# Altium PCB NORA_Clock_V0.2.PcbDoc (part 3 of 3)
Units mm, origin at the board's own origin, x right, y up, seen from the top; angles counter-clockwise.
Board outline 118 x 203.33 mm, 2 copper layers (Top Layer, Bottom Layer), stack 1.671 mm thick; 239 components, 178 nets, 1118 pads, 1365 vias.
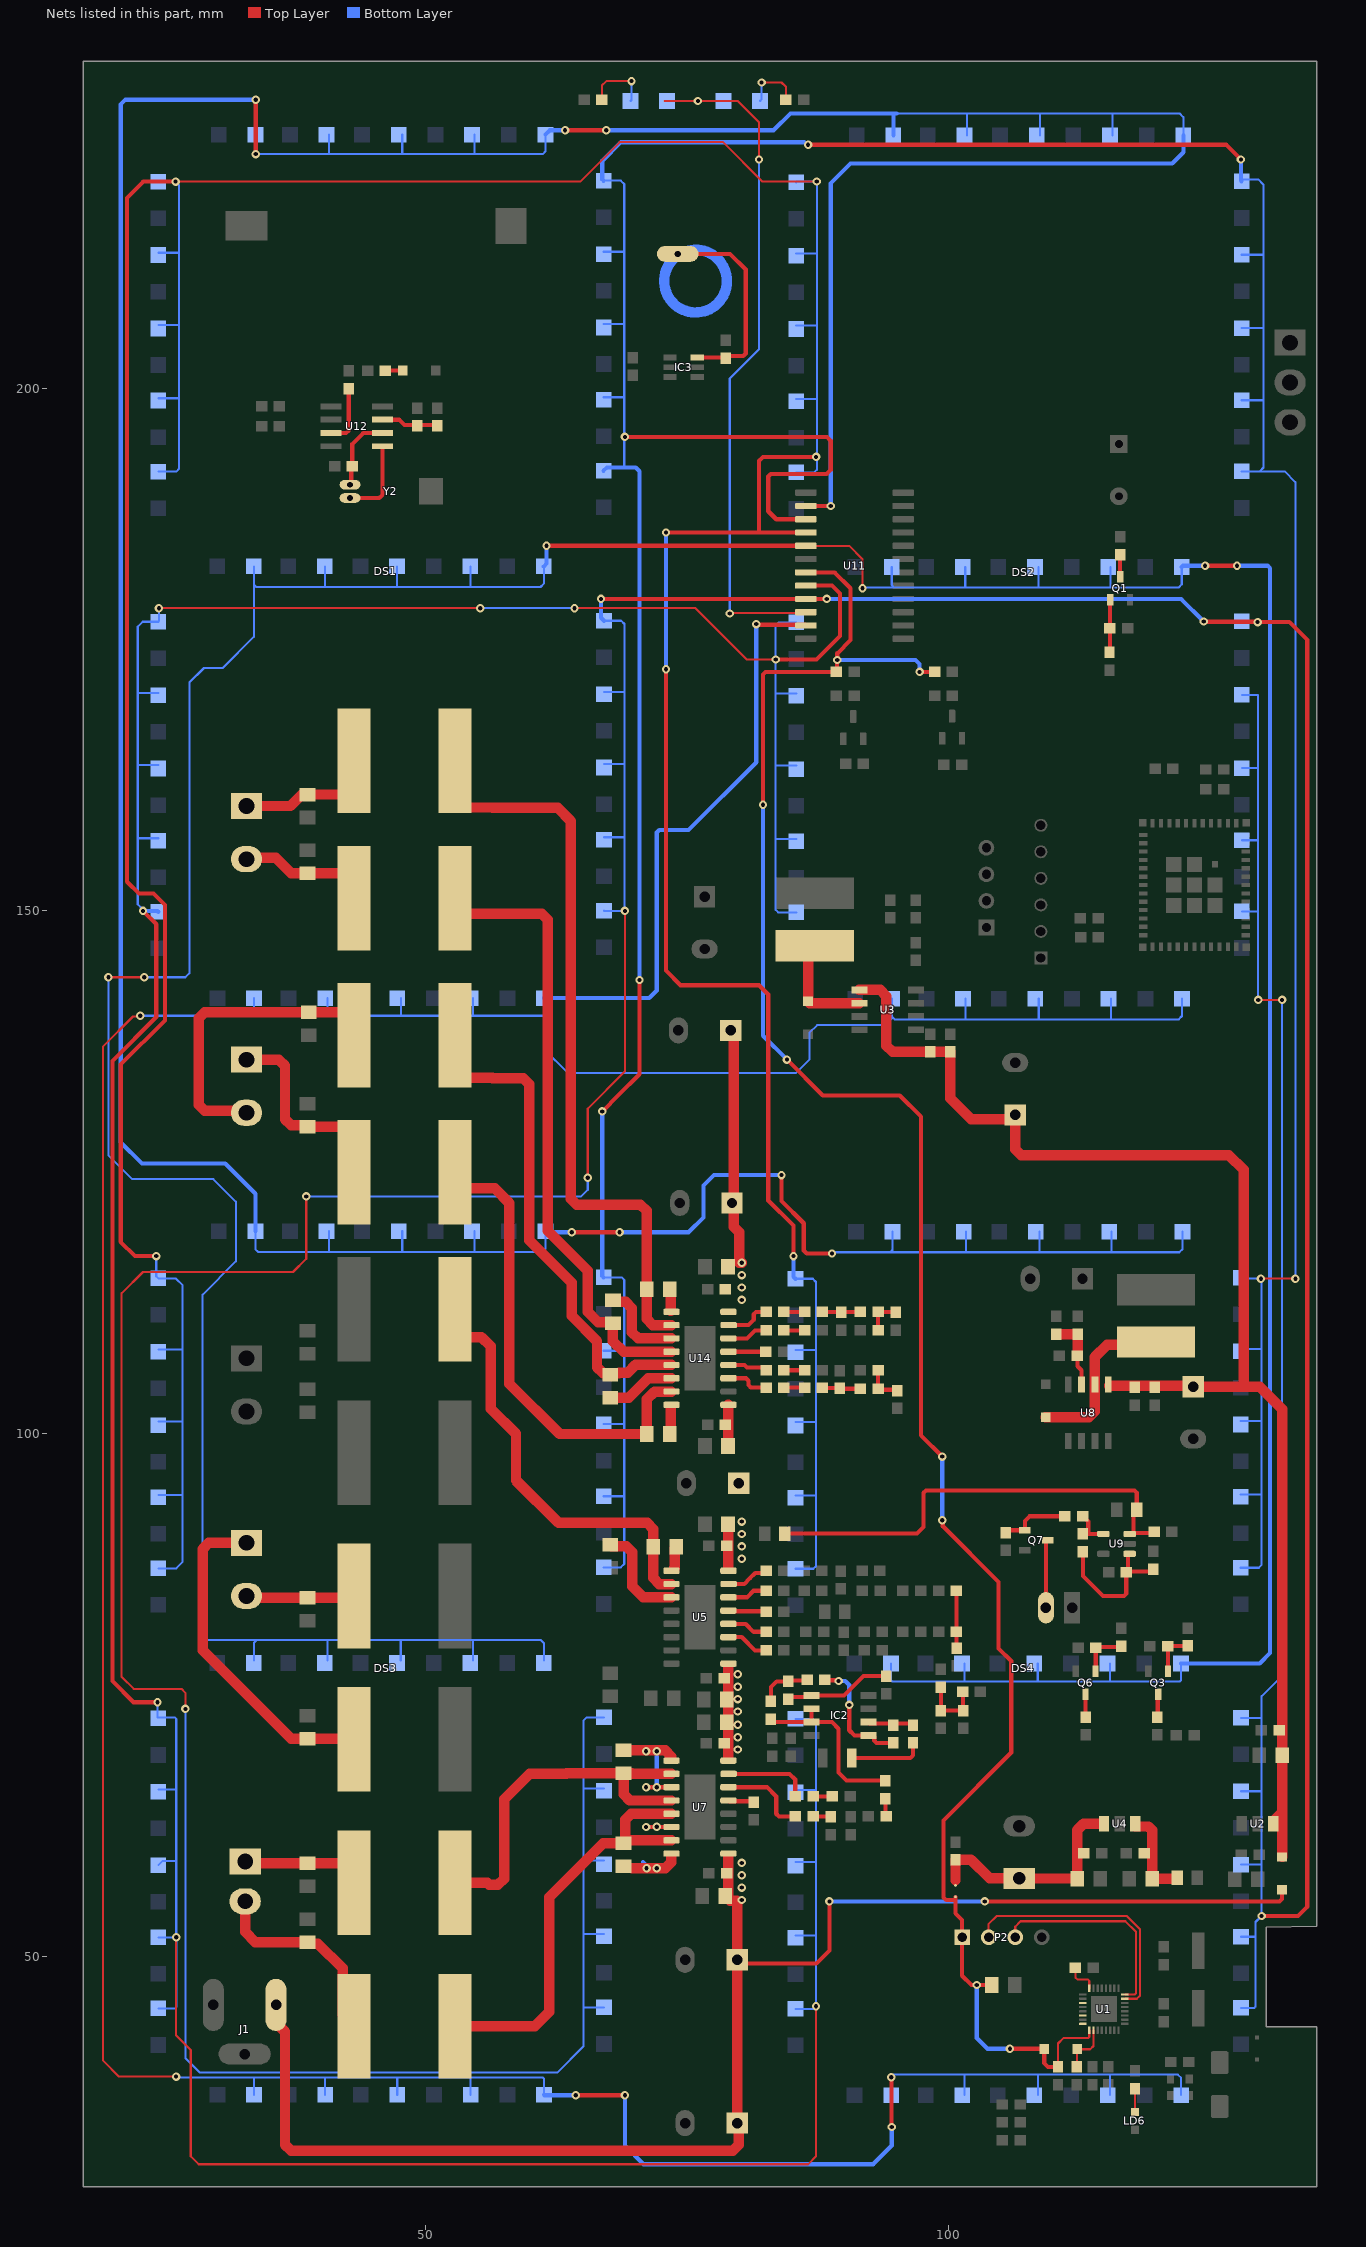
[diagram p3: the nets of this part, all layers, seen from the top]

## Via types
v1: diameter 0.8, hole 0.4, Top Layer to Bottom Layer, 1365 vias

## Nets (pads, with @x,y where several pads share a name; then routed paths per layer and width w, separated by ;. In a path a pad name is that pad's centre, name@x,y a point inside that pad or via, vN(x,y) a via of type N, cw(c..) or ccw(c..) an arc to the next point about the centre after c; other vN are vias at no path point) (continued)
NetC21_2: C21.2 U5.11 | length 9.8
  Top Layer w1: C21.2@67.691,89.365 67.839,89.217 69.218,89.217 69.804,88.632 69.804,85.39 70.866,84.328 U5.11@73.544,84.328
NetC23_2: C23.2 C34.1 C46.2 C48.2 C57.2 C75.1 C76.2 C77.2 D1.1 U2.3 U3.1 U8.1 | length 134.2
  Top Layer w1: U3.1@91.519,142.43 93.518,142.43 94.104,141.844 94.104,137.086 94.69,136.5 C48.2@98.295,136.5 C46.2@100.2,136.5 100.2,132.083 102.235,130.048 106.005,130.048 C34.1@106.426,130.469 106.426,127.205 107.012,126.619 126.873,126.619 128.27,125.222 128.27,104.481 ; U8.1@115.422,104.587 123.338,104.587 C75.1@123.444,104.481 128.27,104.481 ; U2.3@131.11,62.655 131.11,62.905 131.98,63.775 ; C57.2@131.71,71.628 131.98,71.898 131.98,102.335 129.834,104.481 128.27,104.481 ; D1.1@131.953,59.487 131.953,59.919 131.98,59.946 131.98,63.775 ; C57.2@131.98,71.628 C23.2@131.98,69.227 131.98,63.775
NetC30_2: C30.2 IC2.5 R7.2 | length 10.3
  Top Layer w0.4: R7.2@84.709,74.588 84.926,74.805 IC2.5@86.95,74.805 ; IC2.5@86.95,74.93 87.262,74.93 90.043,74.93 91.909,76.796 C30.2@94.107,76.796
NetC31_1: C31.1 L3.2 U5.10 | length 41.4
  Top Layer w1: L3.2@52.832,111.887 52.832,110.295 53.907,109.22 55.372,109.22 56.261,108.331 56.261,102.385 58.674,99.972 58.674,95.504 62.738,91.44 71.212,91.44 71.798,90.854 C31.1@71.798,89.154 71.798,86.184 72.384,85.598 73.54,85.598 U5.10@73.544,85.602
NetC31_2: C31.2 U5.9 | length 2.2
  Top Layer w1: U5.9@73.829,87.068 73.829,87.153 73.85,87.174 73.85,89.006 C31.2@73.998,89.154
NetC32_1: C32.1 C36.1 IC2.6 IC2.7 | length 17.1
  Top Layer w0.4: C36.1@83.058,72.683 83.351,72.39 IC2.7@86.95,72.39 ; IC2.6@86.95,73.66 IC2.7@86.95,72.39 ; C32.1@93.98,66.763 93.941,66.802 90.297,66.802 89.535,67.564 89.535,71.755 88.9,72.39 IC2.7@86.95,72.39
NetC32_2: C32.2 R12.1 | length 1.7
  Top Layer w0.4: C32.2@93.98,65.063 94.024,65.019 94.024,63.417 R12.1@94.068,63.373
NetC33_2: C33.2 R8.1 R9.1 R13.2 | length 6.2
  Top Layer w0.4: R9.1@99.314,75.731 C33.2@99.314,73.494 R13.2@101.473,73.494 101.429,73.538 101.429,75.267 R8.1@101.385,75.311
NetC35_2: C35.2 L6.1 P3.1 | length 32.1
  Top Layer w1: P3.1@32.893,89.535 29.288,89.535 28.702,88.949 28.702,79.248 37.168,70.782 43.137,70.782 L6.1@43.18,70.739
NetC36_2: C36.2 R7.1 R10.1 | length 5.1
  Top Layer w0.4: C36.2@83.058,74.383 83.058,75.737 83.609,76.288 R7.1@84.709,76.288 84.792,76.371 86.443,76.371 R10.1@86.526,76.454
NetC37_2: C37.2 R6.1 R36.2 | length 5.5
  Top Layer w0.4: R6.1@100.799,84.963 100.818,84.944 100.818,79.483 C37.2@100.838,79.463
NetC38_1: C38.1 L4.2 U7.13 U7.15 | length 41.4
  Top Layer w1: L4.2@52.832,43.307 60.452,43.307 61.849,44.704 61.849,55.626 67.013,60.79 68.712,60.79 68.979,60.79 69.127,60.938 69.127,63.041 69.713,63.627 U7.13@73.544,63.627 ; C38.1@69.063,60.79 69.36,61.087 U7.15@73.544,61.087
NetC38_2: C38.2 U7.14 U7.16 | length 8.7
  Top Layer w0.4: v1(71.12,62.357) U7.14@73.544,62.357
  Top Layer w1: 69.796,58.42 v1(71.164,58.42) v1(72.136,58.42) 72.958,58.42 73.544,59.006 U7.16@73.544,59.563
  Bottom Layer w0.4: 70.812,59.002 71.12,58.694 71.12,58.42 71.142,58.398 72.114,58.398 v1(72.136,58.42)
  other v1: 72.14,62.382
NetC39_1: C39.1 R21.1 | length 1.9
  Top Layer w0.4: R21.1@87.083,65.278 C39.1@88.939,65.278
NetC41_1: C41.1 L7.1 P3.2 | length 10.4
  Top Layer w1: P3.2@32.893,84.455 33.063,84.285 43.01,84.285 L7.1@43.18,84.455
NetC42_2: C42.2 R14.1 | length 7.1
  Top Layer w0.4: C42.2@90.805,68.961 96.393,68.961 96.647,69.215 R14.1@96.647,70.397
NetC43_1: C43.1 R22.1 | length 1.7
  Top Layer w0.4: R22.1@87.083,63.373 87.102,63.354 88.753,63.354 C43.1@88.773,63.334
NetC45_2: C45.2 U7.5 | length 2.5
  Top Layer w0.4: U7.5@78.994,64.894 79.075,64.813 81.325,64.813 C45.2@81.407,64.731
NetC47_2: C47.2 L4.1 P5.2 | length 19.7
  Top Layer w1: P5.2@32.766,55.245 32.766,52.324 33.739,51.351 C47.2@38.735,51.351 38.883,51.203 39.729,51.203 42.105,48.827 42.105,44.382 L4.1@43.18,43.307
NetC49_1: C49.1 L5.1 P5.1 | length 11.7
  Top Layer w1: P5.1@32.766,59.055 32.936,58.885 C49.1@38.735,58.885 42.105,58.885 43.18,57.81 L5.1@43.18,57.023
NetC50_1: C50.1 L5.2 U7.10 U7.12 | length 36.5
  Top Layer w1: L5.2@52.832,57.023 55.907,57.023 56.11,56.819 56.945,56.819 57.531,57.405 57.531,65.024 59.967,67.46 63.496,67.46 63.516,67.48 C50.1@68.961,67.48 ; 69.723,67.46 U7.10@73.524,67.46 ; 69.723,67.48 C50.1@68.961,67.48 ; U7.12@73.544,64.894 69.547,64.894 68.961,65.48 C50.1@68.961,67.48
NetC50_2: C50.2 U7.9 U7.11 | length 9.9
  Top Layer w0.4: v1(71.12,66.167) U7.11@73.544,66.167
  Top Layer w1: 69.723,69.68 72.958,69.68 73.544,69.094
  Bottom Layer w0.4: v1(72.136,66.167) v1(72.136,69.596)
  other v1: 71.12,69.596
NetC58_2: C58.2 U5.5 | length 3.6
  Top Layer w0.4: U5.5@78.994,83.055 79.056,82.993 82.527,82.993 C58.2@82.589,82.931
NetC70_1: C70.1 IC3.6 T7.1 | length 20
  Top Layer w0.4: T7.1@74.145,212.829 79.144,212.829 80.645,211.328 80.645,203.307 80.411,203.073 78.955,203.073 C70.1@78.74,202.858 78.678,202.92 76.01,202.92 IC3.6@75.997,202.933
NetC74_2: C74.2 R74.2 R75.1 U8.3 | length 7
  Top Layer w0.4: R74.2@112.395,107.442 112.395,106.426 112.776,106.045 U8.3@112.776,104.693
  Top Layer w1: C74.2@110.363,109.513 R75.1@112.395,109.513 112.395,107.442 R74.2@112.356,107.442
NetC79_1: C79.1 L9.2 U14.15 | length 45.1
  Top Layer w1: L9.2@52.832,124.968 52.832,124.519 53.907,123.444 56.642,123.444 58.039,122.047 58.039,104.775 62.865,99.949 C79.1@71.163,99.949 71.163,103.257 71.919,104.013 U14.15@73.544,104.013
NetC79_2: C79.2 U14.16 | length 2.5
  Top Layer w1: C79.2@73.363,99.949 73.453,100.039 73.453,102.362
NetC80_2: C80.2 L9.1 P6.1 | length 19.7
  Top Layer w1: P6.1@32.893,135.763 35.99,135.763 36.576,135.177 36.576,130.062 37.162,129.477 38.587,129.477 C80.2@38.735,129.329 42.105,129.329 43.18,128.254 L9.1@43.18,124.968
NetC81_1: C81.1 C83.2 R40.1 | length 3.7
  Top Layer w0.4: C83.2@87.972,104.394 88.016,104.35 89.618,104.35 89.682,104.287 91.586,104.287 C81.1@91.606,104.267
NetC81_2: C81.2 R39.2 R42.1 | length 3.7
  Top Layer w0.4: R39.2@93.306,106.045 C81.2@93.306,104.267 93.389,104.184 95.04,104.184 R42.1@95.123,104.101
NetC82_1: C82.1 L12.2 U14.13 | length 48.4
  Top Layer w1: L12.2@52.832,138.091 52.832,135.1 53.907,134.025 56.407,134.025 56.447,133.985 59.358,133.985 59.944,133.399 59.944,118.491 64.008,114.427 64.008,111.252 66.421,108.839 66.421,106.354 67.007,105.769 C82.1@67.543,105.769 ; C82.1@67.691,105.621 C82.1@67.543,105.769 ; U14.13@73.544,106.553 70.104,106.553 69.342,105.791 68.526,105.791 68.504,105.769 C82.1@67.543,105.769
NetC82_2: C82.2 U14.14 | length 6.6
  Top Layer w1: C82.2@67.691,103.421 69.463,103.421 71.325,105.283 U14.14@73.544,105.283
NetC83_1: C83.1 R43.1 | length 2
  Top Layer w0.4: R43.1@84.289,104.394 C83.1@86.272,104.394
NetC84_1: C84.1 L12.1 P6.2 | length 29.8
  Top Layer w1: P6.2@32.893,130.683 32.712,130.864 28.907,130.864 28.321,131.449 28.321,139.706 28.907,140.292 C84.1@38.862,140.292 42.105,140.292 43.18,139.217 L12.1@43.18,138.091
NetC85_1: C85.1 R45.1 | length 2
  Top Layer w0.4: R45.1@84.289,106.045 C85.1@86.272,106.045
NetC86_2: C86.2 U14.5 | length 3.6
  Top Layer w0.4: U14.5@78.994,107.82 78.997,107.817 82.579,107.817 C86.2@82.582,107.814
NetC87_1: C87.1 L14.2 U14.12 | length 59.8
  Top Layer w1: L14.2@52.832,151.215 52.832,150.808 53.907,149.733 61.136,149.733 61.722,149.147 61.722,119.38 65.532,115.57 65.532,111.633 66.529,110.636 67.944,110.636 C87.1@68.047,110.533 ; C87.1@67.945,110.533 67.945,108.839 68.964,107.82 U14.12@73.544,107.82
NetC87_2: C87.2 U14.11 | length 8.5
  Top Layer w1: C87.2@67.945,112.733 68.093,112.585 69.169,112.585 69.755,112 69.755,109.696 70.358,109.093 U14.11@73.544,109.093
NetC88_2: C88.2 L14.1 P7.2 | length 12.7
  Top Layer w1: P7.2@32.893,154.94 33.02,155.067 35.687,155.067 37.168,153.586 42.105,153.586 43.18,152.511 L14.1@43.18,151.215
NetC90_1: C90.1 R46.1 | length 2
  Top Layer w0.4: R46.1@84.289,109.855 C90.1@86.272,109.855
NetC91_1: C91.1 C92.1 R73.1 | length 3.6
  Top Layer w0.4: C92.1@87.972,111.633 C91.1@91.606,111.633
NetC91_2: C91.2 R48.1 R72.1 | length 3.5
  Top Layer w0.4: R72.1@93.306,109.855 C91.2@93.306,111.633 93.326,111.613 94.976,111.613 R48.1@94.996,111.594
NetC92_2: C92.2 R52.1 | length 2
  Top Layer w0.4: R52.1@84.289,111.633 C92.2@86.272,111.633
NetC93_1: C93.1 L15.1 P7.1 | length 13.3
  Top Layer w1: P7.1@32.893,160.02 37.084,160.02 38.184,161.12 42.105,161.12 43.18,162.195 L15.1@43.18,164.338
NetC94_1: C94.1 L15.2 U14.10 | length 72.3
  Top Layer w1: L15.2@52.832,164.338 52.832,160.953 53.907,159.878 56.407,159.878 56.447,159.838 62.666,159.838 63.918,158.586 63.918,122.457 64.504,121.871 70.577,121.871 71.163,121.285 C94.1@71.163,113.792 71.163,110.955 71.751,110.367 U14.10@73.544,110.367
NetC94_2: C94.2 U14.9 | length 2.1
  Top Layer w1: C94.2@73.363,113.792 73.453,113.702 U14.9@73.453,111.723
NetD2_1: D2.1 R30.1 | length 6.3
  Top Layer w0.2: R30.1@66.89,227.584 66.89,228.942 67.31,229.362 v1(69.723,229.362)
  Bottom Layer w0.2: D2.1@69.624,227.457 69.723,227.556 v1(69.723,229.362)
NetD4_2: D4.2 R32.1 | length 1.6
  Top Layer w0.4: R32.1@46.189,201.676 D4.2@47.828,201.676
NetD5_1: D5.1 L13.2 U3.2 | length 10.6
  Top Layer w1: L13.2@87.246,146.661 87.246,146.296 86.611,145.661 D5.1@86.611,141.338 86.789,141.16 U3.2@91.519,141.16
NetD6_1: D6.1 R60.1 | length 5.6
  Top Layer w0.2: v1(82.169,229.235) 84.074,229.235 84.494,228.815 R60.1@84.494,227.584
  Bottom Layer w0.2: D6.1@82.014,227.457 82.169,227.612 v1(82.169,229.235)
NetD7_1: D7.1 L16.2 U8.2 | length 16.6
  Top Layer w1: D7.1@109.347,101.549 113.46,101.549 114.046,102.135 U8.2@114.046,104.693 114.046,107.315 115.224,108.493 119.629,108.493 L16.2@119.888,108.752
NetIC2_1: IC2.1 R10.2 R17.1 | length 11.8
  Top Layer w0.4: R10.2@88.226,76.454 88.29,76.39 89.472,76.39 v1(89.535,76.327) ; v1(90.551,74.041) 90.551,71.608 91.039,71.12 92.811,71.12 92.936,70.995 92.936,70.631 93.171,70.397 R17.1@94.742,70.397
  Bottom Layer w0.4: v1(89.535,76.327) 90.17,76.327 90.551,75.946 v1(90.551,74.041)
NetIC2_2: IC2.2 R14.2 R17.2 | length 4.4
  Top Layer w0.4: IC2.2@92.374,72.39 92.499,72.265 96.479,72.265 R14.2@96.647,72.097
NetLD6_2: LD6.2 R65.2 | length 2.2
  Top Layer w0.2: LD6.2@117.883,35.094 R65.2@117.883,37.331
NetQ1_1: Q1.1 R18.2 R19.1 | length 5.1
  Top Layer w0.4: R18.2@115.443,174.713 115.478,174.749 115.478,179.712 Q1.1@115.514,179.747
NetQ1_3: Q1.3 R15.2 | length 2.1
  Top Layer w0.4: R15.2@116.459,184.062 116.461,184.059 116.461,181.95 Q1.3@116.464,181.947
NetQ3_1: Q3.1 R38.1 R44.1 | length 4.4
  Top Layer w0.4: Q3.1@121.044,77.265 121.025,77.285 121.025,79.632 R44.1@121.005,79.651 121.025,79.671 122.93,79.671 R38.1@122.95,79.69
NetQ3_3: Q3.3 R27.1 | length 2.2
  Top Layer w0.4: R27.1@120.015,72.859 120.055,72.899 120.055,75.026 Q3.3@120.094,75.065
NetQ6_1: Q6.1 R41.1 R47.1 | length 4.8
  Top Layer w0.4: Q6.1@114.107,77.246 114.12,77.259 114.12,79.489 R47.1@114.134,79.502 114.217,79.585 116.503,79.585 R41.1@116.586,79.668
NetQ6_3: Q6.3 R57.2 | length 2.2
  Top Layer w0.4: R57.2@113.157,72.859 Q6.3@113.157,75.046
NetQ7_1: Q7.1 R20.2 R63.1 | length 6.8
  Top Layer w0.4: R63.1@105.537,90.512 105.764,90.739 Q7.1@107.358,90.739 107.358,91.639 107.794,92.075 R20.2@111.164,92.075
NetQ7_3: Q7.3 U6.2 | length 6.6
  Top Layer w0.4: U6.2@109.367,83.329 109.367,89.689 109.467,89.789 Q7.3@109.558,89.789
NetR16_1: R16.1 R51.2 R67.1 U9.1 | length 14.4
  Top Layer w0.4: R67.1@112.903,88.685 112.903,86.36 114.808,84.455 116.821,84.455 117.055,84.689 R16.1@117.055,86.741 117.221,86.907 117.221,88.395 117.316,88.49 U9.1@117.371,88.49 ; R16.1@117.371,86.845 117.421,86.795 R51.2@119.395,86.795 ; R51.2@119.395,86.795 R51.2@119.634,87.034 ; R51.2@119.395,86.795 R51.2@119.634,87.034 ; R51.2@119.395,86.795 R51.2@119.634,87.034
NetR20_1: R20.1 R67.2 U9.4 | length 3.9
  Top Layer w0.4: R20.1@112.864,92.075 112.914,92.075 113.411,91.578 113.411,90.385 R67.2@112.903,90.385 ; 113.411,90.388 114.859,90.388 U9.4@114.861,90.39
NetR21_2: R21.2 U7.7 | length 8.2
  Top Layer w0.4: U7.7@79.015,67.441 84.832,67.441 85.383,66.89 R21.2@85.383,65.278
NetR22_2: R22.2 U7.6 | length 8.5
  Top Layer w0.4: U7.6@78.994,66.167 82.677,66.167 83.566,65.278 83.566,63.627 83.82,63.373 R22.2@85.383,63.373
NetR31_2: R31.2 U12.2 Y2.2 | length 7.3
  Top Layer w0.4: Y2.2@42.799,190.754 42.907,190.862 42.907,192.424 R31.2@43.014,192.532 43.014,194.652 44.069,195.707 U12.2@45.898,195.707
NetR43_2: R43.2 U14.3 | length 4.2
  Top Layer w0.4: U14.3@78.994,105.283 80.665,105.283 80.899,105.049 80.899,104.628 81.133,104.394 R43.2@82.589,104.394
NetR45_2: R45.2 U14.4 | length 3.8
  Top Layer w0.4: U14.4@78.994,106.553 80.518,106.553 80.772,106.299 82.335,106.299 R45.2@82.589,106.045
NetR46_2: R46.2 U14.6 | length 4.3
  Top Layer w0.4: U14.6@78.994,109.093 80.784,109.093 81.546,109.855 R46.2@82.939,109.855
NetR49_2: R49.2 U12.7 | length 5.8
  Top Layer w0.4: U12.7@40.97,195.707 42.418,195.707 42.672,195.961 R49.2@42.672,199.937
NetR50_2: R50.2 R55.2 U12.3 | length 5.5
  Top Layer w0.4: U12.3@45.898,196.977 47.498,196.977 48.006,196.469 51.05,196.469 R50.2@51.143,196.376
NetR52_2: R52.2 U14.7 | length 4.4
  Top Layer w0.4: U14.7@79.015,110.367 80.903,110.367 81.407,110.871 81.407,111.399 81.641,111.633 R52.2@82.589,111.633
NetR53_2: R53.2 U5.7 | length 4.1
  Top Layer w0.4: U5.7@79.015,85.602 80.514,85.602 81.026,86.113 81.554,86.642 82.367,86.642 R53.2@82.589,86.863
NetR54_2: R54.2 U5.6 | length 3.8
  Top Layer w0.4: U5.6@78.994,84.328 80.772,84.328 81.402,84.958 R54.2@82.516,84.958
NetR59_2: R59.2 U5.3 | length 4.1
  Top Layer w0.4: U5.3@78.994,80.518 80.264,80.518 81.534,79.248 R59.2@82.589,79.248
NetR61_2: R61.2 U5.4 | length 3.9
  Top Layer w0.4: U5.4@78.994,81.788 80.645,81.788 81.407,81.026 R61.2@82.589,81.026
NetR62_1: R62.1 R64.2 R68.2 U9.3 | length 43.8
  Top Layer w0.4: R64.2@84.401,90.424 97.028,90.424 97.663,91.059 97.663,94.325 97.897,94.559 117.822,94.559 118.056,94.325 R68.2@118.056,92.71 117.729,92.383 U9.3@117.729,90.485 ; U9.3@117.371,90.39 117.466,90.485 U9.3@117.729,90.485 ; R62.1@119.721,90.586 119.62,90.485 U9.3@117.729,90.485
NetU12_1: U12.1 Y2.1 | length 7.9
  Top Layer w0.4: Y2.1@42.799,189.484 45.593,189.484 45.898,189.789 U12.1@45.898,194.437
SD_CLK: U1.6
SD_DAT: U1.8
SD_PG: U1.3
SEG_A: DS1.7 DS2.7 DS3.7 DS4.7 U11.14 | length 433.3
  Top Layer w0.4: v1(33.782,222.377) v1(33.782,227.584) ; v1(63.373,224.663) v1(67.31,224.663) ; v1(64.008,119.253) v1(68.58,119.253) ; v1(84.074,124.714) 84.074,122.238 86.202,120.111 86.202,117.506 86.487,117.221 v1(88.9,117.221) ; U11.14@86.404,188.722 v1(88.773,188.722)
  Bottom Layer w0.2: DS3.7@33.747,119.344 33.747,117.622 33.995,117.374 40.726,117.374 ; DS1.7@33.747,224.246 33.782,224.211 v1(33.782,222.377) 40.771,222.377 ; DS3.7@40.771,119.344 40.771,117.42 40.726,117.374 ; DS1.7@40.771,224.246 40.771,222.377 ; DS3.7@47.788,119.344 47.788,117.424 47.838,117.374 ; DS1.7@47.788,224.246 47.788,222.377 ; DS3.7@54.688,119.344 54.688,117.382 54.696,117.374 ; DS1.7@54.688,224.246 54.688,222.377 ; DS3.7@61.488,119.344 61.488,117.69 61.173,117.374 54.696,117.374 ; DS1.7@61.488,224.246 61.488,222.651 61.214,222.377 54.688,222.377 ; v1(88.9,117.221) 89.013,117.334 94.474,117.334 ; DS4.7@94.692,119.303 94.692,117.552 94.474,117.334 ; 95.09,226.278 101.821,226.278 ; DS4.7@101.716,119.303 101.716,117.379 101.671,117.334 ; DS2.7@101.796,224.184 101.796,226.253 101.821,226.278 ; DS4.7@108.733,119.303 108.733,117.383 108.783,117.334 ; DS2.7@108.813,224.184 108.813,226.272 108.806,226.278 ; DS4.7@115.633,119.303 115.633,117.341 115.641,117.334 ; DS2.7@115.713,224.184 115.713,226.23 115.664,226.278 ; DS4.7@122.433,119.303 122.433,117.649 122.118,117.334 115.641,117.334 ; DS2.7@122.513,224.184 122.513,225.907 122.141,226.278 115.664,226.278 ; 40.726,117.374 47.838,117.374 ; 40.771,222.377 47.788,222.377 ; 47.788,222.377 54.688,222.377 ; 47.838,117.374 54.696,117.374 ; 94.474,117.334 101.671,117.334 ; 101.671,117.334 108.783,117.334 ; 101.821,226.278 108.806,226.278 ; 108.783,117.334 115.641,117.334 ; 108.806,226.278 115.664,226.278
  Bottom Layer w0.4: DS3.7@33.747,119.344 33.747,122.936 30.86,125.823 22.894,125.823 20.858,127.859 20.858,227.126 21.316,227.584 v1(33.782,227.584) ; DS3.7@61.488,119.344 61.579,119.253 v1(64.008,119.253) ; DS1.7@61.488,224.246 61.906,224.663 v1(63.373,224.663) ; v1(67.31,224.663) 83.312,224.663 84.927,226.278 94.615,226.278 ; v1(68.58,119.253) 75.184,119.253 76.605,120.674 76.605,123.722 77.597,124.714 v1(84.074,124.714) ; v1(88.773,188.722) 88.773,219.583 90.678,221.488 121.448,221.488 122.513,222.553 DS2.7@122.513,224.184 ; DS2.7@94.771,224.184 94.771,226.122 94.615,226.278 ; 95.09,226.278 94.615,226.278
SEG_B: DS1.6 DS2.6 DS3.6 DS4.6 U11.16 | length 437.6
  Top Layer w0.2: v1(26.11,219.746) 64.806,219.746 68.58,223.52 78.486,223.52 82.242,219.764 v1(87.449,219.764)
  Top Layer w0.4: v1(24.257,116.967) 22.225,116.967 20.858,118.334 20.858,135.285 25.082,139.51 25.082,150.558 24.003,151.638 22.606,151.638 21.463,152.781 21.463,218.186 23.023,219.746 v1(26.11,219.746) ; v1(73.025,173.101) 73.025,144.272 74.422,142.875 81.915,142.875 82.804,141.986 82.804,122.301 85.217,119.888 v1(85.217,116.967) ; v1(73.025,186.182) 81.915,186.182 ; U11.16@86.404,186.182 81.915,186.182 ; v1(87.376,193.421) 82.296,193.421 81.915,193.04 81.915,186.182
  Bottom Layer w0.2: v1(24.257,116.967) 24.257,115.043 24.492,114.808 26.154,114.808 26.789,114.173 26.789,108.044 ; DS3.6@24.456,87.102 26.177,87.102 26.789,87.714 26.789,94.234 ; DS3.6@24.456,94.127 26.681,94.127 26.789,94.234 ; DS3.6@24.456,101.144 26.737,101.144 26.789,101.092 ; DS3.6@24.456,108.044 26.789,108.044 ; DS1.6@24.456,192.004 26.177,192.004 26.425,192.252 26.425,198.983 ; DS1.6@24.456,199.029 26.38,199.029 26.425,198.983 ; DS1.6@24.456,206.046 26.375,206.046 26.425,206.095 ; DS1.6@24.456,212.946 26.418,212.946 26.425,212.953 ; DS1.6@24.456,219.746 v1(26.11,219.746) 26.425,219.43 26.425,212.953 ; DS4.6@85.401,87.062 87.122,87.062 87.37,87.31 87.37,94.041 ; DS4.6@85.401,94.086 87.325,94.086 87.37,94.041 ; DS4.6@85.401,101.103 87.321,101.103 87.37,101.153 ; DS4.6@85.401,108.003 87.363,108.003 87.37,108.011 ; DS4.6@85.401,114.803 87.055,114.803 87.37,114.488 87.37,108.011 ; DS2.6@85.48,191.942 87.201,191.942 87.449,192.19 87.449,193.348 v1(87.376,193.421) 87.449,193.494 87.449,198.921 ; DS2.6@85.48,198.967 87.404,198.967 87.449,198.921 ; DS2.6@85.48,205.984 87.4,205.984 87.449,206.033 ; DS2.6@85.48,212.884 87.442,212.884 87.449,212.891 ; DS2.6@85.48,219.684 85.56,219.764 v1(87.449,219.764) 87.449,212.891 ; 26.425,198.983 26.425,206.095 ; 26.425,206.095 26.425,212.953 ; 26.789,94.234 26.789,101.092 ; 26.789,101.092 26.789,108.044 ; 87.37,94.041 87.37,101.153 ; 87.37,101.153 87.37,108.011 ; 87.449,198.921 87.449,206.033 ; 87.449,206.033 87.449,212.891
  Bottom Layer w0.4: v1(73.025,173.101) v1(73.025,186.182) ; v1(85.217,116.967) 85.217,114.987 DS4.6@85.401,114.803
SEG_C: DS1.4 DS2.4 DS3.4 DS4.4 U11.20 | length 404
  Top Layer w0.2: v1(24.511,178.943) v1(55.245,178.943) ; v1(26.177,51.807) 26.162,51.791 26.162,42.418 27.559,41.021 27.559,30.861 28.321,30.099 86.614,30.099 87.37,30.855 v1(87.37,45.214) ; v1(64.262,178.943) 75.837,178.943 80.745,174.034 v1(83.511,174.034)
  Top Layer w0.4: v1(22.987,149.987) 24.257,148.717 24.257,139.827 20.066,135.636 20.066,76.327 22.098,74.295 v1(24.384,74.295) ; v1(83.511,174.034) 87.42,174.034 89.662,176.276 89.662,180.34 88.9,181.102 U11.20@86.404,181.102
  Bottom Layer w0.2: v1(22.987,149.987) 22.987,150.118 22.487,150.618 22.487,156.888 ; v1(24.384,74.295) 24.384,72.82 26.06,72.82 26.177,72.703 26.177,65.948 ; DS3.4@24.456,45.007 26.06,45.007 26.177,45.124 v1(26.177,51.807) ; DS3.4@24.456,51.807 v1(26.177,51.807) ; DS3.4@24.456,58.707 24.847,59.098 26.177,59.098 ; DS3.4@24.456,65.948 26.177,65.948 ; DS1.4@24.456,156.933 22.532,156.933 22.487,156.888 ; DS1.4@24.456,163.95 22.536,163.95 22.487,164 ; DS1.4@24.456,170.85 22.494,170.85 22.487,170.858 ; DS1.4@24.456,177.65 22.964,177.65 22.487,177.173 22.487,170.858 ; DS1.4@24.479,177.673 24.511,177.705 v1(24.511,178.943) ; v1(55.245,178.943) v1(64.262,178.943) ; DS4.4@85.401,44.966 87.122,44.966 v1(87.37,45.214) 87.37,51.945 ; DS4.4@85.401,51.99 87.325,51.99 87.37,51.945 ; DS4.4@85.401,59.007 87.321,59.007 87.37,59.057 ; DS4.4@85.401,65.907 87.363,65.907 87.37,65.915 ; DS4.4@85.401,72.707 87.055,72.707 87.37,72.392 87.37,65.915 ; DS2.4@85.48,149.847 83.759,149.847 83.511,150.095 83.511,156.826 ; DS2.4@85.48,156.871 83.556,156.871 83.511,156.826 ; DS2.4@85.48,163.888 83.561,163.888 83.511,163.938 ; DS2.4@85.48,170.788 83.519,170.788 83.511,170.796 ; DS2.4@85.48,177.588 83.826,177.588 83.511,177.273 v1(83.511,174.034) 83.511,170.796 ; 22.487,156.888 22.487,164 ; 22.487,164 22.487,170.858 ; v1(26.177,51.807) 26.177,59.098 ; 26.177,59.098 26.177,65.948 ; 83.511,156.826 83.511,163.938 ; 83.511,163.938 83.511,170.796 ; 87.37,51.945 87.37,59.057 ; 87.37,59.057 87.37,65.915
  Bottom Layer w0.4: v1(22.987,149.987) 24.378,149.987 DS1.4@24.456,149.909
SEG_D: DS1.3 DS2.3 DS3.3 DS4.3 U11.23 | length 418.4
  Top Layer w0.2: v1(22.733,139.954) 22.668,139.889 22.033,139.889 19.177,137.033 19.177,40.005 20.701,38.481 v1(26.162,38.481)
  Top Layer w0.4: v1(64.389,36.703) v1(69.088,36.703) ; v1(81.661,177.419) 81.724,177.356 86.341,177.356 U11.23@86.404,177.292 ; v1(94.56,38.424) 94.587,38.396 94.587,33.683 v1(94.615,33.655)
  Bottom Layer w0.2: v1(22.733,139.954) 33.615,139.954 ; v1(26.162,38.481) 26.246,38.397 33.615,38.397 ; DS3.3@33.615,36.744 33.615,38.397 ; DS1.3@33.615,141.646 33.615,139.954 ; DS3.3@40.415,36.744 40.415,38.397 ; DS1.3@40.639,141.646 40.639,139.954 ; DS3.3@47.315,36.744 47.315,38.397 ; DS1.3@47.656,141.646 47.656,139.954 ; DS3.3@54.332,36.744 54.332,38.397 ; DS1.3@54.556,141.646 54.556,139.954 ; DS3.3@61.356,36.744 61.356,38.28 61.239,38.397 54.332,38.397 ; DS1.3@61.356,141.646 61.356,139.954 ; DS4.3@94.56,36.703 v1(94.56,38.424) 94.808,38.672 101.539,38.672 ; DS2.3@94.639,141.584 94.639,139.862 ; DS4.3@101.584,36.703 101.584,38.627 101.539,38.672 ; DS2.3@101.663,141.584 101.663,139.66 101.618,139.614 ; DS4.3@108.601,36.703 108.601,38.623 108.651,38.672 ; DS2.3@108.68,141.584 108.68,139.664 108.73,139.614 ; DS4.3@115.501,36.703 115.501,38.665 115.509,38.672 ; DS2.3@115.58,141.584 115.58,139.622 115.588,139.614 ; DS4.3@122.301,36.703 122.301,38.357 121.986,38.672 115.509,38.672 ; DS2.3@122.38,141.584 122.38,139.93 122.065,139.614 115.588,139.614 ; 33.615,38.397 40.415,38.397 ; 33.615,139.954 40.639,139.954 ; 40.415,38.397 47.315,38.397 ; 40.639,139.954 47.656,139.954 ; 47.315,38.397 54.332,38.397 ; 47.656,139.954 54.556,139.954 ; 54.556,139.954 61.356,139.954 ; 61.356,139.954 61.356,136.764 63.627,134.493 85.471,134.493 86.741,135.763 86.741,138.318 87.488,139.065 93.98,139.065 94.639,139.724 94.639,139.862 ; 94.639,139.862 94.887,139.614 101.618,139.614 ; 101.539,38.672 108.651,38.672 ; 101.618,139.614 108.73,139.614 ; 108.651,38.672 115.509,38.672 ; 108.73,139.614 115.588,139.614
  Bottom Layer w0.4: DS3.3@61.356,36.744 61.397,36.703 v1(64.389,36.703) ; DS1.3@61.356,141.646 71.415,141.646 72.136,142.367 72.136,157.5 72.37,157.734 75.184,157.734 81.661,164.211 v1(81.661,177.419) ; v1(69.088,36.703) 69.088,31.877 70.866,30.099 92.837,30.099 94.615,31.877 v1(94.615,33.655)
SEG_E: DS1.2 DS2.2 DS3.2 DS4.2 U11.21 | length 619.6
  Top Layer w0.2: v1(27.051,73.66) 27.051,75.184 26.67,75.565 22.098,75.565 20.955,76.708 20.955,113.411 22.987,115.443 37.338,115.443 38.608,116.713 v1(38.608,122.682) ; v1(65.532,124.46) 65.532,131.064 69.088,134.62 v1(69.088,149.987) ; v1(129.667,141.478) v1(131.953,141.478)
  Top Layer w0.4: v1(66.802,179.832) v1(88.392,179.832) ; v1(124.46,177.673) 124.489,177.644 129.579,177.644 v1(129.608,177.614) 132.647,177.614 134.366,175.895 134.366,54.737 133.477,53.848 v1(129.996,53.848)
  Bottom Layer w0.2: v1(27.051,73.66) 27.051,40.259 28.448,38.862 62.611,38.862 65.112,41.363 65.112,52.081 ; v1(38.608,122.682) 64.897,122.682 65.532,123.317 v1(65.532,124.46) ; 65.151,45.085 67.064,45.085 DS3.2@67.081,45.102 ; DS3.2@67.081,52.127 65.158,52.127 65.112,52.081 ; DS3.2@67.081,59.144 65.162,59.144 65.112,59.193 ; DS3.2@67.081,66.044 65.12,66.044 65.112,66.051 ; DS3.2@67.081,72.844 65.428,72.844 65.112,72.528 65.112,66.051 ; DS1.2@67.081,150.004 67.099,149.987 v1(69.088,149.987) ; DS1.2@67.081,157.029 69.005,157.029 69.051,156.983 ; DS1.2@67.081,164.046 69.001,164.046 69.051,164.095 ; DS1.2@67.081,170.946 69.043,170.946 69.051,170.953 ; DS1.2@67.081,177.746 68.735,177.746 69.051,177.43 69.051,170.953 ; v1@69.071,150.004 69.051,150.024 69.051,156.983 ; DS4.2@128.026,45.062 129.296,45.062 129.413,45.179 129.413,51.862 ; DS4.2@128.026,51.862 129.413,51.862 ; DS4.2@128.026,58.762 129.946,58.762 129.996,58.712 ; DS4.2@128.026,65.779 129.95,65.779 129.996,65.824 ; DS4.2@128.026,72.803 129.996,72.803 ; DS2.2@128.106,149.942 129.55,149.942 129.667,149.825 ; DS2.2@128.106,156.742 129.667,156.742 ; DS2.2@128.106,163.642 129.667,163.642 ; DS2.2@128.106,170.659 129.667,170.659 129.667,163.642 ; DS2.2@128.106,177.684 128.116,177.673 v1@129.55,177.673 ; v1(129.667,141.478) 129.667,149.825 ; v1(131.953,141.478) 131.953,76.835 129.996,74.878 129.996,72.803 ; 65.112,52.081 65.112,59.193 ; 65.112,59.193 65.112,66.051 ; 69.051,156.983 69.051,164.095 ; 69.051,164.095 69.051,170.953 ; 129.413,51.862 129.413,53.265 v1(129.996,53.848) 129.996,58.712 ; 129.667,149.825 129.667,156.742 ; 129.667,156.742 129.667,163.642 ; 129.996,58.712 129.996,65.824 ; 129.996,65.824 129.996,72.803
  Bottom Layer w0.4: v1(66.802,179.832) 66.802,178.025 DS1.2@67.081,177.746 ; v1(88.392,179.832) 122.301,179.832 v1(124.46,177.673)
SEG_F: DS1.9 DS2.9 DS3.9 DS4.9 U11.15 | length 416.3
  Top Layer w0.2: v1(129.921,114.808) v1(133.223,114.808)
  Top Layer w0.4: v1(66.929,130.81) 68.491,132.372 70.485,134.366 v1(70.485,143.383) ; v1(69.088,195.326) 88.412,195.326 88.773,194.965 88.773,192.151 88.392,191.77 83.038,191.77 82.804,191.536 82.804,188.214 83.566,187.452 U11.15@86.404,187.452 ; v1(86.614,223.266) 126.619,223.266 v1(128.016,221.869)
  Bottom Layer w0.2: DS3.9@67.056,87.194 68.71,87.194 69.025,87.509 69.025,93.986 ; DS3.9@67.056,93.994 69.018,93.994 69.025,93.986 ; DS3.9@67.056,100.894 68.976,100.894 69.025,100.844 ; DS3.9@67.056,107.911 68.98,107.911 69.025,107.956 ; DS3.9@67.056,114.935 68.777,114.935 69.025,114.687 69.025,107.956 ; DS1.9@67.056,199.12 68.98,199.12 69.025,199.075 ; DS1.9@67.056,206.137 68.976,206.137 69.025,206.187 ; DS1.9@67.056,213.037 69.018,213.037 69.025,213.045 ; DS1.9@67.056,219.837 68.71,219.837 69.025,219.522 69.025,213.045 ; 69.025,192.405 69.025,195.263 v1(69.088,195.326) 69.025,195.389 69.025,199.075 ; DS4.9@128.001,87.153 129.722,87.153 129.97,87.401 129.97,94.132 ; DS4.9@128.001,94.177 129.925,94.177 129.97,94.132 ; DS4.9@128.001,101.194 129.921,101.194 129.97,101.244 ; DS4.9@128.001,108.094 129.963,108.094 129.97,108.102 ; DS4.9@128.001,114.894 128.087,114.808 v1(129.921,114.808) 129.97,114.759 129.97,108.102 ; DS2.9@128.08,192.034 129.804,192.034 ; DS2.9@128.08,198.834 130.127,198.834 130.175,198.882 ; DS2.9@128.08,205.734 130.169,205.734 130.175,205.74 ; DS2.9@128.08,212.751 130.149,212.751 130.175,212.725 ; DS2.9@128.08,219.775 128.269,219.964 129.667,219.964 130.175,219.456 130.175,212.725 ; v1(133.223,114.808) 133.223,191.008 132.197,192.034 129.804,192.034 ; 69.025,93.986 69.025,100.844 ; 69.025,100.844 69.025,107.956 ; 69.025,199.075 69.025,206.187 ; 69.025,206.187 69.025,213.045 ; 129.804,192.034 130.175,192.405 130.175,198.882 ; 129.97,94.132 129.97,101.244 ; 129.97,101.244 129.97,108.102 ; 130.175,198.882 130.175,205.74 ; 130.175,205.74 130.175,212.725
  Bottom Layer w0.4: v1(66.929,130.81) 66.929,115.062 DS3.9@67.056,114.935 ; DS1.9@67.056,192.096 67.365,192.405 69.025,192.405 70.124,192.405 70.485,192.044 v1(70.485,143.383) ; DS1.9@67.056,219.837 66.929,219.964 66.929,221.742 68.707,223.52 86.252,223.52 86.506,223.266 v1(86.614,223.266) ; v1(128.016,221.869) 128.016,219.839 DS2.9@128.08,219.775
SEG_G: DS1.10 DS2.10 DS3.10 DS4.10 U11.17 | length 436
  Top Layer w0.2: v1(19.685,143.637) v1(23.114,143.637) ; U11.17@86.404,184.912 90.551,184.912 91.821,183.642 v1(91.821,180.848)
  Top Layer w0.4: v1(61.595,184.912) U11.17@86.404,184.912 ; v1(124.587,183.007) v1(127.635,183.007)
  Bottom Layer w0.2: v1(19.685,143.637) 19.685,126.619 21.971,124.333 29.718,124.333 31.877,122.174 31.877,116.459 28.702,113.284 28.702,80.645 29.102,80.245 33.854,80.245 ; v1(23.114,143.637) 27.051,143.637 27.432,144.018 27.432,171.831 28.829,173.228 30.607,173.228 33.593,176.214 33.593,181.224 ; DS1.10@33.593,182.946 33.593,181.224 ; DS3.10@33.606,78.276 33.606,79.997 33.854,80.245 ; DS1.10@40.393,182.946 40.393,180.977 ; DS3.10@40.63,78.276 40.63,80.199 40.585,80.245 ; 47.293,180.977 DS1.10@47.293,182.946 ; DS3.10@47.647,78.276 47.647,80.195 47.697,80.245 ; DS1.10@54.31,182.946 54.31,180.977 ; DS3.10@54.547,78.276 54.547,80.237 54.555,80.245 ; DS1.10@61.334,182.946 61.334,181.292 61.019,180.977 54.31,180.977 ; DS3.10@61.347,78.276 61.347,79.929 61.032,80.245 54.555,80.245 ; v1(91.821,180.848) 91.887,180.914 94.865,180.914 ; DS4.10@94.538,78.003 94.538,76.399 94.655,76.282 101.562,76.282 ; DS2.10@94.617,182.884 94.617,181.162 94.865,180.914 ; DS4.10@101.562,78.003 101.562,76.282 ; DS2.10@101.642,182.884 101.642,180.96 101.596,180.914 ; DS4.10@108.579,78.003 108.579,76.282 ; DS2.10@108.658,182.884 108.658,180.964 108.708,180.914 ; 115.479,76.291 DS4.10@115.479,78.003 ; DS2.10@115.559,182.884 115.559,180.922 115.566,180.914 ; DS4.10@122.279,78.003 122.279,76.399 122.162,76.282 108.579,76.282 ; DS2.10@122.359,182.884 122.359,181.23 122.043,180.914 115.566,180.914 ; 33.593,181.224 33.841,180.977 40.393,180.977 ; 33.854,80.245 40.585,80.245 ; 40.393,180.977 54.31,180.977 ; 40.585,80.245 47.697,80.245 ; 47.697,80.245 54.555,80.245 ; 94.865,180.914 101.596,180.914 ; 101.562,76.282 108.579,76.282 ; 101.596,180.914 108.708,180.914 ; 108.708,180.914 115.566,180.914
  Bottom Layer w0.4: DS1.10@61.334,182.946 61.595,183.206 v1(61.595,184.912) ; DS4.10@122.279,78.003 129.819,78.003 130.81,78.994 130.81,182.773 130.576,183.007 v1(127.635,183.007) ; DS2.10@122.359,182.884 122.482,183.007 v1(124.587,183.007)
SEGDP: D2.2 D6.2 U11.22 | length 70.8
  Top Layer w0.2: 72.87,227.457 v1(76.073,227.457) 79.883,227.457 81.915,225.425 v1(81.915,221.869) ; v1(79.121,178.435) 79.184,178.498 86.341,178.498 U11.22@86.404,178.562
  Bottom Layer w0.2: D2.2@73.124,227.457 v1(76.073,227.457) D6.2@78.514,227.457 ; v1(79.121,178.435) 79.121,200.914 81.915,203.708 v1(81.915,221.869)
USB_DM: 
USB_DP: 
USBDM: P2.2 U1.23 | length 24.5
  Top Layer w0.2: P2.2@103.886,51.816 103.886,53.086 104.648,53.848 117.094,53.848 118.364,52.578 118.364,46.228 118.067,45.931 U1.23@116.913,45.931
USBDP: P2.3 U1.24 | length 20.2
  Top Layer w0.2: P2.3@106.426,51.816 106.426,52.832 106.934,53.34 116.967,53.34 117.983,52.324 117.983,46.448 117.866,46.331 U1.24@116.913,46.331
VBAT: C51.1 D3.2 U1.10 | length 4.9
  Top Layer w0.2: C51.1@112.295,39.412 112.346,39.463 D3.2@112.346,41.102 113.597,41.102 113.908,41.413 U1.10@113.908,42.926
VCC: C6.1 C12.2 C13.1 C16.2 C22.1 C26.2 C27.1 C28.1 C53.1 C55.2 C56.1 C63.1 C64.2 C78.1 C95.1 C96.2 C97.1 D1.2 J1.1 U5.1 U5.8 U7.1 U7.8 U14.1 U14.8 | length 184
  Top Layer w0.4: C53.1@79.843,49.657 C53.1@80.172,49.328 ; C53.1@80.2,49.3 87.4,49.3 88.646,50.546 v1(88.646,55.245) ; v1(103.505,55.245) 131.719,55.245 131.953,55.479 D1.2@131.953,56.337
  Top Layer w1: J1.1@35.718,45.339 35.718,43.611 36.576,42.753 36.576,31.955 37.162,31.369 79.384,31.369 79.97,31.955 C28.1@79.97,34.036 ; C55.2@78.697,55.753 79.163,55.287 79.793,55.287 79.843,55.237 C53.1@79.843,49.657 79.843,49.3 C28.1@79.843,34.036 ; C64.2@78.951,98.806 78.972,98.827 78.972,102.722 U14.1@78.994,102.743 ; C55.2@78.994,55.753 U7.1@78.994,59.563 ; U7.8@78.994,68.961 U5.1@78.994,77.724 ; 78.994,87.249 C26.2@78.994,91.313 ; C95.1@79.208,138.557 79.502,138.263 79.502,119.761 80.024,119.239 80.024,116.34 80.032,116.332 v1(80.264,116.332)
  Bottom Layer w0.4: v1(88.646,55.245) v1(103.505,55.245)
  other v1: 80.264,55.372 80.264,56.557 80.264,57.743 80.264,58.928 79.883,69.765 79.883,70.951 79.883,72.136 79.883,73.406 79.883,74.591 79.883,75.777 79.883,76.962 80.264,88.011 80.264,89.196 80.264,90.382 80.264,91.567 80.264,112.776 80.264,113.961 80.264,115.147
VCM: C29.1 U1.32 | length 3.1
  Top Layer w0.2: C29.1@112.18,48.895 112.18,47.967 112.395,47.752 113.391,47.752 113.508,47.635 U1.32@113.508,46.936
Vin-P: C65.2 C66.2 L8.1 U4.3 | length 9.4
  Top Layer w0.4: C66.2@118.768,59.829 C66.2@119.002,59.595 ; L8.1@121.808,57.416 L8.1@121.908,57.516
  Top Layer w1: U4.3@117.918,62.655 117.918,62.405 119.146,62.405 119.526,62.025 C65.2@119.526,57.416 L8.1@121.808,57.416
Vout: C67.2 C68.2 C72.1 C73.2 SB1.1 U4.1 | length 21.8
  Top Layer w1: 100.711,57.277 C73.2@100.711,59.221 102.196,59.221 103.973,57.444 C72.1@106.807,57.444 106.821,57.43 112.359,57.43 C67.2@112.373,57.416 112.373,62.069 112.959,62.655 U4.1@114.918,62.655
VPWR: C44.1 C89.2 D3.1 P2.1 R69.2 R71.2 SB1.2 U1.9 U11.19 | length 197.9
  Top Layer w0.2: C44.1@110.517,39.412 110.517,41.644 111.037,42.164 113.391,42.164 113.508,42.281 U1.9@113.508,42.926
  Top Layer w0.4: v1(82.296,160.147) 82.296,172.613 82.53,172.847 R69.2@89.32,172.847 ; v1(84.582,135.763) 88.011,132.334 95.377,132.334 97.409,130.302 97.409,99.822 v1(99.441,97.79) ; U11.19@86.404,182.372 89.154,182.372 90.678,180.848 90.678,175.895 89.408,174.625 v1(89.408,173.99) 89.364,173.946 89.364,173.057 R69.2@89.154,172.847 ; v1(97.282,172.847) R71.2@98.718,172.847 ; v1(99.441,91.694) 99.494,91.641 99.494,91.133 104.838,85.788 104.838,79.438 106.045,78.232 106.045,69.469 99.568,62.992 99.568,55.626 99.822,55.372 100.711,55.372 ; SB1.2@100.711,55.669 100.711,55.372 ; C89.2@104.183,47.244 v1(102.743,47.244) 102.235,47.244 101.346,48.133 P2.1@101.346,51.816 101.346,53.467 100.711,54.102 100.711,55.372 ; v1(105.918,41.148) 109.15,41.148 D3.1@109.196,41.102 109.196,39.775 109.559,39.412 C44.1@110.517,39.412
  Bottom Layer w0.4: v1(82.296,160.147) 82.296,138.049 v1(84.582,135.763) ; v1(89.408,173.99) 96.901,173.99 97.282,173.609 v1(97.282,172.847) ; v1(99.441,91.694) v1(99.441,97.79) ; v1(102.743,47.244) 102.743,42.164 103.759,41.148 v1(105.918,41.148)
pads on no net: A2.1 DS1.0 DS2.0 DS3.0 DS4.0 IC3.4 IC3.5 LD6.0 T1.0 U11.18 U13.4 U13.7 U13.9 U13.10 U13.15 U13.17 U13.24 U13.25 U13.28 U13.29 U13.32 U13.33 U13.34 U13.35 Y2.3

## Polygon pours and split planes (outlines as drawn)
GND on Bottom Layer "GND_L02_P000" (solid, remove dead copper, pour order 0): 17.272,27.94 135.272,27.94 135.272,231.267 17.272,231.267
GND on Top Layer "GND_L01_P001" (solid, remove dead copper, pour order 1): 17.272,27.94 135.272,27.94 135.272,231.267 17.272,231.267

## Keep-outs
Keep-Out Layer:
  lines w0.2: 135.272,27.94 17.272,27.94 17.272,231.267 135.272,231.267 135.272,52.879 ; 22.272,130.48 ccw(c23.772,130.48) 23.772,128.98 ccw(c23.772,130.48) 25.272,130.48 ccw(c23.772,130.48) 23.772,131.98 ccw(c23.772,130.48) 22.272,130.48 ; 74.772,40.48 ccw(c76.272,40.48) 76.272,38.98 ccw(c76.272,40.48) 77.772,40.48 ccw(c76.272,40.48) 76.272,41.98 ccw(c76.272,40.48) 74.772,40.48 ; 74.772,130.48 ccw(c76.272,130.48) 76.272,128.98 ccw(c76.272,130.48) 77.772,130.48 ccw(c76.272,130.48) 76.272,131.98 ccw(c76.272,130.48) 74.772,130.48 ; 74.772,220.48 ccw(c76.272,220.48) 76.272,218.98 ccw(c76.272,220.48) 77.772,220.48 ccw(c76.272,220.48) 76.272,221.98 ccw(c76.272,220.48) 74.772,220.48 ; 127.272,130.48 ccw(c128.772,130.48) 128.772,128.98 ccw(c128.772,130.48) 130.272,130.48 ccw(c128.772,130.48) 128.772,131.98 ccw(c128.772,130.48) 127.272,130.48
  lines w0.254: 130.429,52.786 130.429,43.24 135.272,43.24 135.272,27.94 ; 130.429,52.879 135.272,52.879

## Other copper
Top Layer:
  rectangle net VCC: 79.121,111.379 80.927,116.84
  region net GND: 127.889,39.549 127.889,27.94 129.794,27.94 129.794,39.549
  region net GND: 127.889,43.486 127.889,40.692 129.794,40.692 129.794,43.486
  rectangle net VCC: 78.613,86.614 80.927,101.981
  rectangle net VCC: 79.248,68.507 80.645,78.359
  rectangle net VCC: 78.613,54.737 80.899,60.017
  pour cut-out: 80.236,214.698 71.374,214.698 71.374,205.926 80.293,205.926
  pour cut-out: 128.742,160.232 128.742,144.974 135.255,144.974 135.255,160.274
  pour cut-out: 130.954,63.336 130.954,52.879 135.272,52.879 135.272,63.364
  pour cut-out: 128.651,43.229 128.651,27.97 135.164,27.97 135.164,43.271
  pour cut-out: 55.455,171.069 40.513,171.069 40.513,35.143 56.327,35.143
  pour cut-out: 121.793,53.072 121.793,42.614 126.111,42.614 126.111,53.1
Bottom Layer:
  rectangle net GND: 113.303,43.381 116.513,46.481
  rectangle net GND: 74.803,104.013 77.724,110.277
  rectangle net GND: 74.803,79.227 77.724,85.491
  rectangle net GND: 74.803,61.087 77.724,67.351
  region net GND: 127.889,39.549 127.889,27.94 129.794,27.94 129.794,39.549
  rectangle net VCC: 78.994,54.737 80.927,116.713
  rectangle net NetC50_2: 70.612,65.532 72.644,70.231
  rectangle net NetC38_2: 70.612,57.658 72.644,62.865
  pour cut-out: 74.772,40.48 ccw(c76.272,40.48) 76.272,38.98 ccw(c76.272,40.48) 77.772,40.48 ccw(c76.272,40.48) 76.272,41.98 ccw(c76.272,40.48)
  pour cut-out: 80.236,214.698 71.374,214.698 71.374,205.926 80.293,205.926
  pour cut-out: 128.742,160.232 128.742,144.974 135.255,144.974 135.255,160.274
  pour cut-out: 130.954,63.336 130.954,52.879 135.272,52.879 135.272,63.364
  pour cut-out: 129.794,43.236 129.794,27.97 135.164,27.97 135.164,43.271

## Silkscreen, mask and mechanical layers (free items; w line width, h text height)
Top Overlay:
  lines w0.254: 65.45,82.475 cw(c62.45,82.475) 65.45,82.533 ; 65.483,63.939 ccw(c62.484,63.881) 65.484,63.881
  text "5" at 26.289,176.037 h15
  text "V001000252304XT" at 25.273,172.628 h3
Bottom Solder:
  rectangle: 70.104,98.425 82.296,112.188
  rectangle: 69.342,73.279 79.248,90.035
Mechanical 1:
  lines w0.4: 36.703,155.067 154.703,155.067 154.703,358.394 36.703,358.394 36.703,155.067 ; 42.703,166.607 42.703,201.607 45.103,201.607 45.103,166.607 42.703,166.607 ; 42.703,208.607 42.703,243.607 45.103,243.607 45.103,208.607 42.703,208.607 ; 42.703,271.607 45.103,271.607 45.103,306.607 42.703,306.607 42.703,271.607 ; 42.703,313.607 42.703,348.607 45.103,348.607 45.103,313.607 42.703,313.607 ; 47.703,162.607 47.703,165.007 82.703,165.007 82.703,162.607 47.703,162.607 ; 47.703,203.907 47.703,206.307 82.703,206.307 82.703,203.907 47.703,203.907 ; 47.703,245.207 82.703,245.207 82.703,247.607 47.703,247.607 47.703,245.207 ; 47.703,267.607 47.703,270.007 82.703,270.007 82.703,267.607 47.703,267.607 ; 47.703,308.907 82.703,308.907 82.703,311.307 47.703,311.307 47.703,308.907 ; 47.703,350.207 82.703,350.207 82.703,352.607 47.703,352.607 47.703,350.207 ; 85.303,166.607 85.303,201.607 87.703,201.607 87.703,166.607 85.303,166.607 ; 85.303,208.607 87.703,208.607 87.703,243.607 85.303,243.607 85.303,208.607 ; 85.303,271.607 85.303,306.607 87.703,306.607 87.703,271.607 85.303,271.607 ; 85.303,313.607 87.703,313.607 87.703,348.607 85.303,348.607 85.303,313.607 ; 103.703,166.607 106.103,166.607 106.103,201.607 103.703,201.607 103.703,166.607 ; 103.703,208.607 106.103,208.607 106.103,243.607 103.703,243.607 103.703,208.607 ; 103.703,271.607 103.703,306.607 106.103,306.607 106.103,271.607 103.703,271.607 ; 103.703,313.607 103.703,348.607 106.103,348.607 106.103,313.607 103.703,313.607 ; 108.703,162.607 108.703,165.007 143.703,165.007 143.703,162.607 108.703,162.607 ; 108.703,203.907 108.703,206.307 143.703,206.307 143.703,203.907 108.703,203.907 ; 108.703,245.207 143.703,245.207 143.703,247.607 108.703,247.607 108.703,245.207 ; 108.703,267.607 143.703,267.607 143.703,270.007 108.703,270.007 108.703,267.607 ; 108.703,308.907 108.703,311.307 143.703,311.307 143.703,308.907 108.703,308.907 ; 108.703,350.207 108.703,352.607 143.703,352.607 143.703,350.207 108.703,350.207 ; 146.303,166.607 148.703,166.607 148.703,201.607 146.303,201.607 146.303,166.607 ; 146.303,208.607 148.703,208.607 148.703,243.607 146.303,243.607 146.303,208.607 ; 146.303,271.607 146.303,306.607 148.703,306.607 148.703,271.607 146.303,271.607 ; 146.303,313.607 148.703,313.607 148.703,348.607 146.303,348.607 146.303,313.607

## Text inside footprints (layer, text, board x,y; h text height)
BT1: Top Overlay "+" at 58.801,213.233 h1.42 r180; Top Overlay "-" at 32.131,213.487 h1.42 r270; Mechanical 13 "+" at 58.801,213.233 h1.42 r180; Mechanical 13 "-" at 32.131,213.487 h1.42 r270
C27: Top Overlay "+" at 80.531,97.728 h1.52 r180
C28: Top Overlay "+" at 80.404,36.514 h1.52 r180
C34: Top Overlay "+" at 107.696,127.508 h4 r90
C53: Top Overlay "+" at 80.404,52.135 h1.52 r180
C61: Top Overlay "+" at 75.438,154.305 h4 r270
C72: Top Overlay "+" at 107.592,54.946 h3 r90
C75: Top Overlay "+" at 122.174,107.442 h4 r270
C78: Top Overlay "+" at 82.296,123.317 h4 r180
C95: Top Overlay "+" at 82.169,139.827 h4 r180
C98: Top Overlay "+" at 115.824,116.078 h4 r180